# Allegro board SDHCalFEB.brd (continued)
## Routing (per net, layer and track width the routed paths; a pad name or vN(x,y) marks a point on that pad's centre or on a via; arc(x,y) is an arc through that point) (continued)
VCC3.3VD: length 1359.7
  TOP w0.254: v2(233.17,43.64) 233.6,43.64 ; v2(233.17,43.64) 233.17,44.07 ; v2(233.17,43.64) 232.74,43.64 ; v2(233.17,43.64) 233.17,43.2 ; 355.02,167.49 v1(355.02,167.92) ; v1(355.02,167.92) 355.02,168.35 ; v1(355.02,167.92) 354.58,167.92 ; v1(355.02,167.92) 355.45,167.92 ; v1(56.79,351.69) 56.79,352.12 ; v1(56.79,351.69) 56.79,351.26 ; v1(56.79,351.69) 57.23,351.69 ; v1(56.79,351.69) 56.36,351.69 ; 314.51,42.16 C1131.1 ; C1131.1 316.9,42.16 ; C1131.1 315.71,40.84 ; C1131.1 315.71,43.49 ; v2(79.07,285.14) 79.07,285.57 ; v2(79.07,285.14) 79.5,285.14 ; v2(79.07,285.14) 79.07,284.71 ; v2(79.07,285.14) 78.64,285.14 ; 66.24,354.33 v1(66.24,354.76) ; v1(66.24,354.76) 66.68,354.76 ; v1(66.24,354.76) 66.24,355.19 ; v1(66.24,354.76) 65.81,354.76 ; 97.18,283.01 v2(97.18,283.44) ; v2(97.18,283.44) 97.18,283.87 ; v2(97.18,283.44) 96.75,283.44 ; v2(97.18,283.44) 97.61,283.44 ; v1(365.91,187.55) 365.91,187.99 ; v1(365.91,187.55) 365.91,187.12 ; v1(365.91,187.55) 366.34,187.55 ; v1(365.91,187.55) 365.48,187.55 ; v2(151.75,123.51) 152.18,123.51 ; C687.1 73.01,202.83 ; C687.1 72.58,202.34 ; C687.1 73.44,202.34 ; 152.71,121.82 C948.1 ; C948.1 153.58,121.82 ; C948.1 153.15,122.31 ; U260.120 74.56,310.86 ; 75.51,234.57 v2(75.51,235) 75.95,235 ; v1(355.09,166.6) 355.52,166.6 ; v1(355.09,166.6) 354.66,166.6 ; v1(355.09,166.6) 355.09,167.03 ; v1(355.09,166.6) 355.09,166.17 ; 62.41,353.75 C1455.1 ; C1455.1 63.73,352.55 ; C1455.1 63.73,354.94 ; C1455.1 65.05,353.75 ; 151.41,236.47 v2(151.84,236.47) ; v2(151.84,236.47) 151.84,236.04 ; v2(151.84,236.47) 151.84,236.91 ; v2(151.84,236.47) 152.27,236.47 ; U975.120 154.57,70.83 ; v1(355.09,177.57) 355.52,177.57 ; v1(355.09,177.57) 355.09,177.14 ; v1(355.09,177.57) 354.66,177.57 ; v1(355.09,177.57) 355.09,178 ; 62.48,351.38 v1(62.48,351.82) ; v1(62.48,351.82) 62.92,351.82 ; v1(62.48,351.82) 62.48,352.25 ; v1(62.48,351.82) 62.05,351.82 ; v2(239.15,285.27) 239.59,285.27 ; v2(239.15,285.27) 239.15,284.84 ; v2(239.15,285.27) 239.15,285.7 ; v2(239.15,285.27) 238.72,285.27 ; 315.42,39.73 v2(315.85,39.73) ; v2(315.85,39.73) 315.85,40.16 ; v2(315.85,39.73) 316.28,39.73 ; v2(315.85,39.73) 315.85,39.29 ; 234.34,72.97 v2(234.34,73.41) ; v2(234.34,73.41) 234.34,73.84 ; v2(234.34,73.41) 234.77,73.41 ; v2(234.34,73.41) 233.91,73.41 ; v1(353.82,168.17) 354.25,168.17 ; v1(353.82,168.17) 353.82,168.61 ; v1(353.82,168.17) 353.82,167.74 ; v2(155.75,45.79) 155.96,46.25 ; C1415.1 355.4,136.27 ; C1415.1 355.4,135.03 ; C1415.1 354.91,136.14 U1052.18 ; C1415.1 354.81,135.65 ; 81.33,25.37 v1(81.76,25.37) ; v1(81.76,25.37) 81.76,24.94 ; v1(81.76,25.37) 82.19,25.37 ; v1(81.76,25.37) 81.76,25.81 ; v2(96.19,283.49) 96.62,283.49 ; v2(96.19,283.49) 96.19,283.06 ; v2(96.19,283.49) 95.76,283.49 ; v2(96.19,283.49) 96.19,283.92 ; 319.99,45.82 v2(319.99,46.25) ; v2(319.99,46.25) 319.99,46.69 ; v2(319.99,46.25) 319.56,46.25 ; v2(319.99,46.25) 320.42,46.25 ; v2(314.02,152.12) 314.02,152.55 ; v2(314.02,152.12) 313.59,152.12 ; v2(314.02,152.12) 314.45,152.12 ; v2(314.02,152.12) 314.02,151.69 ; v2(315.9,311.49) 316.34,311.49 ; v2(315.9,311.49) 315.47,311.49 ; v2(315.9,311.49) 315.9,311.92 ; v2(315.9,311.49) 315.9,311.06 ; v2(233.83,283.16) 233.83,283.59 ; v2(233.83,283.16) 233.4,283.16 ; v2(233.83,283.16) 234.26,283.16 ; v2(233.83,283.16) 233.83,282.73 ; 154.08,200.71 v2(154.51,200.71) 154.51,200.28 ; v2(317.25,203.89) 317.69,203.89 ; v2(317.25,203.89) 316.82,203.89 ; v2(317.25,203.89) 317.25,204.32 ; 75.16,282.42 v2(75.16,282.85) ; v2(75.16,282.85) 74.73,282.85 ; v2(75.16,282.85) 75.16,283.29 ; v2(75.16,282.85) 75.59,282.85 ; 152.87,75.79 C1304.1 ; C1304.1 155.25,75.79 ; C1304.1 154.06,74.47 ; C1304.1 154.06,77.11 ; v2(237.57,46.1) 237.57,46.53 ; v2(237.57,46.1) 238,46.1 ; v2(237.57,46.1) 237.13,46.1 ; v2(237.57,46.1) 237.57,45.67 ; v1(353.51,118.95) U1069.5 ; 152.69,42.32 C1296.1 ; C1296.1 153.12,42.81 ; C1296.1 153.55,42.32 ; v2(78.23,205.77) 78.66,205.77 ; v2(78.23,205.77) 77.8,205.77 ; v2(78.23,205.77) 78.23,205.33 ; v2(78.23,205.77) 78.23,206.2 ; C696.1 75.78,235.86 ; C696.1 73.39,235.86 ; C696.1 74.58,237.19 ; C696.1 74.58,234.54 ; v1(359.59,178.18) 359.59,178.61 ; v1(359.59,178.18) 359.16,178.18 ; v1(359.59,178.18) 360.02,178.18 ; v1(359.59,178.18) 359.59,177.75 ; 354.41,201.4 C1410.1 355.03,200.81 ; 74.55,121.66 C1043.1 ; C1043.1 77.19,121.66 ; C1043.1 75.87,122.85 ; C1043.1 75.87,120.46 ; v2(312.12,315.81) 312.55,315.81 ; v2(312.12,315.81) 312.12,315.37 ; v2(312.12,315.81) 312.12,316.24 ; 314.41,234.97 C434.1 ; C434.1 314.41,237.62 ; C434.1 315.6,236.3 ; C434.1 313.22,236.3 ; v2(155.75,122.06) 157.07,122.06 ; v2(155.75,122.06) 154.43,122.06 ; v2(155.75,122.06) 155.75,123.26 ; v2(155.75,122.06) 155.75,120.87 ; 353.82,169.01 v1(353.82,169.44) ; v1(353.82,169.44) 354.25,169.44 ; v1(353.82,169.44) 353.82,169.88 ; C512.1 238.11,205.81 ; C512.1 237.25,205.81 ; C512.1 237.68,206.3 ; 356.11,191.41 v1(356.11,190.98) 356.54,190.98 ; 75.31,40.26 v2(75.31,40.69) 74.88,40.69 ; v2(315.26,234.19) 315.26,234.62 ; v2(315.26,234.19) 314.83,234.19 ; v2(315.26,234.19) 315.26,233.76 ; v2(315.26,234.19) 315.7,234.19 ; 315.33,153.48 C771.1 ; C771.1 315.82,153.04 ; C771.1 315.82,153.91 ; 350.65,181.2 v1(351.08,181.2) ; v1(351.08,181.2) 351.08,181.64 ; v1(351.08,181.2) 351.08,180.77 ; 155.68,350.06 v1(156.11,350.06) ; v1(156.11,350.06) 156.54,350.06 ; v1(156.11,350.06) 156.11,349.63 ; v1(156.11,350.06) 156.11,350.5 ; v1(359.59,179.73) 359.59,180.16 ; v1(359.59,179.73) 359.16,179.73 ; v1(359.59,179.73) 359.59,179.3 ; v1(359.59,179.73) 360.02,179.73 ; 355.62,167.06 v1(356.06,167.06) ; v1(356.06,167.06) 356.06,167.49 ; v1(356.06,167.06) 356.49,167.06 ; v1(356.06,167.06) 356.06,166.62 ; v2(234.14,231.57) 234.14,232 ; v2(234.14,231.57) 234.57,231.57 ; v2(234.14,231.57) 234.14,231.14 ; v2(234.14,231.57) 233.7,231.57 ; 366.95,183.95 v1(367.39,183.95) ; v1(367.39,183.95) 367.82,183.95 ; v1(367.39,183.95) 367.39,184.38 ; v1(367.39,183.95) 367.39,183.51 ; 72.95,70.49 v2(73.38,70.49) 73.38,70.92 ; v2(315.52,313.39) 315.52,313.83 ; v2(315.52,313.39) 315.96,313.39 ; v2(315.52,313.39) 315.09,313.39 ; v2(315.52,313.39) 315.52,312.96 ; C695.1 76.89,202.33 ; C695.1 74.24,202.33 ; C695.1 75.56,201.13 ; 357.38,166.95 C1427.1 ; C1427.1 359.77,166.95 ; C1427.1 358.57,168.28 ; C1427.1 358.57,165.63 ; v1(366.09,292.3) 366.52,292.3 ; v1(366.09,292.3) 365.66,292.3 ; v1(366.09,292.3) 366.09,292.74 ; v1(366.09,292.3) 366.09,291.87 ; 367.67,187.32 v1(367.67,187.76) ; v1(367.67,187.76) 368.1,187.76 ; v1(367.67,187.76) 367.23,187.76 ; v1(367.67,187.76) 367.67,188.19 ; 74.17,231.77 v2(74.17,232.21) ; v2(74.17,232.21) 74.17,232.64 ; v2(74.17,232.21) 73.74,232.21 ; v2(74.17,232.21) 74.6,232.21 ; 313.49,43.26 v2(313.49,43.69) ; v2(313.49,43.69) 313.92,43.69 ; v2(313.49,43.69) 313.49,44.12 ; v2(313.49,43.69) 313.05,43.69 ; C1383.1 73.49,41.82 ; C1383.1 73.92,41.33 ; C1383.1 73.06,41.33 ; v1(351.08,155.14) 351.08,155.58 ; v1(351.08,155.14) 350.65,155.14 ; v1(351.08,155.14) 351.08,154.71 ; v2(73.43,123.34) 73.43,123.77 ; v2(73.43,123.34) 73.43,122.91 ; v2(73.43,123.34) 73,123.34 ; v2(73.43,123.34) 73.86,123.34 ; 366.83,293.14 v1(366.83,293.57) ; v1(366.83,293.57) 366.39,293.57 ; v1(366.83,293.57) 366.83,294.01 ; v1(366.83,293.57) 367.26,293.57 ; v2(238.94,45.09) 238.94,45.52 ; v2(238.94,45.09) 239.37,45.09 ; v2(238.94,45.09) 238.94,44.65 ; v2(238.94,45.09) 238.51,45.09 ; 153.19,72.85 v2(153.19,73.28) ; v2(153.19,73.28) 152.76,73.28 ; v2(153.19,73.28) 153.19,73.71 ; v2(153.19,73.28) 153.62,73.28 ; C249.1 157.09,285.82 ; C249.1 156.22,285.82 ; C249.1 156.65,286.31 ; 356.13,192.66 v1(356.13,193.09) ; v1(356.13,193.09) 356.57,193.09 ; v1(356.13,193.09) 356.13,193.52 ; 314.46,312.53 v2(314.89,312.53) ; v2(314.89,312.53) 315.32,312.53 ; v2(314.89,312.53) 314.89,312.1 ; v2(314.89,312.53) 314.89,312.96 ; 347.68,265.56 v1(347.68,265.99) ; v1(347.68,265.99) 347.68,266.42 ; v1(347.68,265.99) 347.24,265.99 ; v1(347.68,265.99) 348.11,265.99 ; 176.68,351.66 v1(177.11,351.66) ; v1(177.11,351.66) 177.11,351.23 ; v1(177.11,351.66) 177.55,351.66 ; v1(177.11,351.66) 177.11,352.1 ; 316.47,46.29 C1121.1 316.9,45.8 ; 357.76,200.79 359.08,200.79 ; 357.76,200.79 357.76,201.98 ; 357.76,200.79 357.76,199.59 ; 357.76,200.79 356.44,200.79 ; 365.3,294.31 v1(365.73,294.31) ; v1(365.73,294.31) 366.17,294.31 ; v1(365.73,294.31) 365.73,294.74 ; v1(365.73,294.31) 365.73,293.88 ; v2(318.19,46.28) 318.19,46.71 ; v2(318.19,46.28) 317.75,46.28 ; v2(318.19,46.28) 318.62,46.28 ; v2(318.19,46.28) 318.19,45.85 ; v2(77.67,46.13) 77.67,46.56 ; v2(77.67,46.13) 78.11,46.13 ; v2(77.67,46.13) 77.24,46.13 ; v2(77.67,46.13) 77.67,45.69 ; v2(97.43,339.29) 97.87,339.29 ; v2(97.43,339.29) 97,339.29 ; v2(97.43,339.29) 97.43,339.73 ; v2(97.43,339.29) 97.43,338.86 ; 155.98,350.85 v1(155.98,351.28) ; v1(155.98,351.28) 156.41,351.28 ; v1(155.98,351.28) 155.55,351.28 ; v1(155.98,351.28) 155.98,351.71 ; 233.22,315.49 C173.1 ; C173.1 234.42,314.17 ; C173.1 234.42,316.81 ; C173.1 235.61,315.49 ; U1050.19 353.73,200.89 ; 60.91,352.78 v1(61.34,352.78) ; v1(61.34,352.78) 61.77,352.78 ; v1(61.34,352.78) 61.34,353.21 ; v1(61.34,352.78) 61.34,352.35 ; v1(354.81,153.11) 354.81,153.54 ; v1(354.81,153.11) 354.81,152.68 ; v1(354.81,153.11) 354.38,153.11 ; v1(354.81,153.11) 355.24,153.11 ; 354.58,179.83 v1(355.02,179.83) ; v1(355.02,179.83) 355.02,179.4 ; v1(355.02,179.83) 355.02,180.26 ; v1(355.02,179.83) 355.45,179.83 ; 317.63,126.21 v2(318.06,126.21) ; v2(318.06,126.21) 318.06,125.78 ; v2(318.06,126.21) 318.49,126.21 ; v2(318.06,126.21) 318.06,126.64 ; v1(247.78,27.58) 247.78,28.02 ; v1(247.78,27.58) 247.78,27.15 ; v1(247.78,27.58) 247.34,27.58 ; v1(247.78,27.58) 248.21,27.58 ; C870.1 236.5,121.58 ; C870.1 235.18,122.78 ; C870.1 235.18,120.39 ; C870.1 233.86,121.58 ; v1(351.08,178.66) 351.08,179.1 ; v1(351.08,178.66) 351.08,178.23 ; v1(351.08,178.66) 350.65,178.66 ; 81.3,27.56 v1(81.74,27.56) ; v1(81.74,27.56) 82.17,27.56 ; v1(81.74,27.56) 81.74,27.99 ; v1(81.74,27.56) 81.74,27.13 ; 322.6,24.77 v1(323.04,24.77) ; v1(323.04,24.77) 323.04,25.2 ; v1(323.04,24.77) 323.04,24.33 ; v1(323.04,24.77) 323.47,24.77 ; v1(243.36,30.2) 243.36,30.63 ; v1(243.36,30.2) 243.79,30.2 ; v1(243.36,30.2) 242.93,30.2 ; v1(243.36,30.2) 243.36,29.77 ; 234.19,313.64 v2(234.62,313.64) ; v2(234.62,313.64) 234.62,313.21 ; v2(234.62,313.64) 234.62,314.07 ; v2(234.62,313.64) 235.05,313.64 ; v1(353.82,165.63) 354.25,165.63 ; v1(353.82,165.63) 353.82,166.07 ; v1(353.82,165.63) 353.82,165.2 ; 156.08,355.57 v1(156.08,356.01) ; v1(156.08,356.01) 155.65,356.01 ; v1(156.08,356.01) 156.52,356.01 ; v1(156.08,356.01) 156.08,356.44 ; 168.53,30.53 v1(168.96,30.53) ; v1(168.96,30.53) 168.96,30.1 ; v1(168.96,30.53) 169.39,30.53 ; v1(168.96,30.53) 168.96,30.96 ; v1(82.37,26.37) 82.8,26.37 ; v1(82.37,26.37) 81.94,26.37 ; v1(82.37,26.37) 82.37,26.8 ; v1(82.37,26.37) 82.37,25.93 ; v1(353.82,179.93) 354.25,179.93 ; v1(353.82,179.93) 353.82,179.5 ; v1(353.82,179.93) 353.82,180.37 ; 178.56,351.69 v1(178.99,351.69) ; v1(178.99,351.69) 179.43,351.69 ; v1(178.99,351.69) 178.99,351.26 ; v1(178.99,351.69) 178.99,352.12 ; C1305.1 155.74,42.75 ; C1305.1 154.54,41.43 ; C1305.1 156.93,41.43 ; C1305.1 155.74,40.11 ; v1(357.61,178.66) 357.61,179.1 ; v1(357.61,178.66) 357.61,178.23 ; v1(357.61,178.66) 358.04,178.66 ; v1(357.61,178.66) 357.17,178.66 ; v2(155.07,283.13) 155.07,283.57 ; v2(155.07,283.13) 154.63,283.13 ; v2(155.07,283.13) 155.5,283.13 ; 156.11,280.46 C260.1 ; C260.1 154.79,281.65 ; C260.1 156.11,282.85 ; C260.1 157.43,281.65 ; v1(357.61,164.92) 358.04,164.92 ; v1(357.61,164.92) 357.61,164.49 ; v1(357.61,164.92) 357.17,164.92 ; v1(357.61,164.92) 357.61,165.35 ; 87.55,28.57 v1(87.55,29.01) ; v1(87.55,29.01) 87.99,29.01 ; v1(87.55,29.01) 87.12,29.01 ; v1(87.55,29.01) 87.55,29.44 ; 232.64,314.26 v2(232.64,314.69) ; v2(232.64,314.69) 233.07,314.69 ; v2(232.64,314.69) 232.64,315.13 ; 72.45,76.17 C1391.1 ; C1391.1 73.64,74.85 ; C1391.1 74.84,76.17 ; C1391.1 73.64,77.5 ; 357.1,139.85 v1(357.53,139.85) ; v1(357.53,139.85) 357.53,140.28 ; v1(357.53,139.85) 357.96,139.85 ; v2(315.78,125.8) 316.21,125.8 ; 367.28,295.76 v1(367.72,295.76) ; v1(367.72,295.76) 367.72,295.33 ; v1(367.72,295.76) 367.72,296.19 ; v1(370.41,292.58) 370.41,293.01 ; v1(370.41,292.58) 370.84,292.58 ; v1(370.41,292.58) 370.41,292.15 ; 152.96,70.49 v2(153.39,70.49) 153.39,70.92 ; 359.13,176.53 C1444.1 ; C1444.1 360.38,176.53 ; C1444.1 359.75,177.11 ; C1392.1 76.03,42.88 ; C1392.1 74.84,41.55 ; C1392.1 76.03,40.23 ; C1392.1 77.23,41.55 ; 63.55,351.74 v1(63.98,351.74) ; v1(63.98,351.74) 64.41,351.74 ; v1(63.98,351.74) 63.98,352.17 ; v1(63.98,351.74) 63.98,351.31 ; C1294.1 155.32,73.82 ; C1294.1 155.32,72.96 ; C1294.1 154.83,73.39 ; 314.07,232.6 v2(314.07,233.03) ; v2(314.07,233.03) 314.5,233.03 ; v2(314.07,233.03) 314.07,233.46 ; v2(314.07,233.03) 313.64,233.03 ; C774.1 317.53,125.22 ; C774.1 316.67,125.22 ; C774.1 317.1,125.72 ; v1(356.08,143.92) 356.51,143.92 ; v1(356.08,143.92) 356.08,143.48 ; v1(356.08,143.92) 355.65,143.92 ; v1(356.08,143.92) 356.08,144.35 ; 348.26,265.02 v1(348.69,265.02) ; v1(348.69,265.02) 348.69,265.46 ; v1(348.69,265.02) 348.69,264.59 ; v1(348.69,265.02) 349.12,265.02 ; 354.08,176.43 v1(354.51,176.43) ; v1(354.51,176.43) 354.51,176 ; v1(354.51,176.43) 354.51,176.86 ; v1(354.51,176.43) 354.94,176.43 ; C251.1 153.81,281.6 ; C251.1 153.38,282.1 ; C251.1 152.95,281.6 ; v1(367.79,289.15) 368.22,289.15 ; v1(367.79,289.15) 367.79,288.72 ; v1(367.79,289.15) 367.36,289.15 ; v1(367.79,289.15) 367.79,289.59 ; v1(88.01,27.51) 88.44,27.51 ; v1(88.01,27.51) 87.58,27.51 ; v1(88.01,27.51) 88.01,27.94 ; v1(88.01,27.51) 88.01,27.08 ; 352.45,155.96 U1056.3 352.45,156.87 ; 353.87,164.74 v1(354.3,164.74) ; v1(354.3,164.74) 354.74,164.74 ; v1(354.3,164.74) 354.3,165.18 ; v1(353.82,166.9) 354.25,166.9 ; v1(353.82,166.9) 353.82,166.47 ; v1(353.82,166.9) 353.82,167.34 ; v2(97.46,334.52) 97.89,334.52 ; v2(97.46,334.52) 97.03,334.52 ; v2(97.46,334.52) 97.46,334.09 ; v2(97.46,334.52) 97.46,334.95 ; 312.19,236.58 v2(312.19,237.02) ; v2(312.19,237.02) 311.76,237.02 ; v2(312.19,237.02) 312.19,237.45 ; v2(312.19,237.02) 312.62,237.02 ; v2(73.38,150.5) 73.38,150.93 ; v1(60.35,351.61) 60.35,352.04 ; v1(60.35,351.61) 60.78,351.61 ; v1(60.35,351.61) 60.35,351.18 ; v1(60.35,351.61) 59.92,351.61 ; 71.74,43.93 v2(71.74,43.5) 72.17,43.5 ; v2(318.03,48.36) 318.47,48.36 ; v2(318.03,48.36) 318.03,48.79 ; v2(318.03,48.36) 317.6,48.36 ; v2(318.03,48.36) 318.03,47.93 ; v1(353.82,177.39) 353.82,177.83 ; v1(353.82,177.39) 354.25,177.39 ; v1(353.82,177.39) 353.82,176.96 ; v2(95.78,334.54) 96.22,334.54 ; v2(95.78,334.54) 95.78,334.11 ; v2(95.78,334.54) 95.78,334.98 ; v2(95.78,334.54) 95.35,334.54 ; v2(96.04,339.27) 96.47,339.27 ; v2(96.04,339.27) 95.61,339.27 ; v2(96.04,339.27) 96.04,338.84 ; v2(96.04,339.27) 96.04,339.7 ; 357.05,169.72 v1(357.48,169.72) ; v1(357.48,169.72) 357.48,170.16 ; v1(357.48,169.72) 357.48,169.29 ; v1(357.48,169.72) 357.91,169.72 ; U325.120 314.59,230.85 ; 313.92,231.07 v2(313.92,231.5) ; v2(313.92,231.5) 313.92,231.94 ; v2(313.92,231.5) 313.49,231.5 ; v2(313.92,231.5) 314.35,231.5 ; v2(76.33,43.41) 76.33,43.84 ; v2(76.33,43.41) 75.89,43.41 ; v2(76.33,43.41) 76.33,42.98 ; v2(76.33,43.41) 76.76,43.41 ; v2(314.45,153.87) 314.88,153.87 ; v2(314.45,153.87) 314.02,153.87 ; v2(314.45,153.87) 314.45,154.31 ; v2(314.45,153.87) 314.45,153.44 ; v2(315.78,45.79) 315.98,46.25 ; 231.34,76.45 v2(231.78,76.45) ; v2(231.78,76.45) 231.78,76.02 ; v2(231.78,76.45) 232.21,76.45 ; v2(231.78,76.45) 231.78,76.89 ; C686.1 77.31,205.81 ; C686.1 76.45,205.81 ; C686.1 76.88,206.31 ; 234.83,154.48 C869.1 ; C869.1 233.64,155.8 ; C869.1 236.03,155.8 ; C869.1 234.83,157.12 ; v1(358.32,176.94) 358.32,177.37 ; v1(358.32,176.94) 358.32,176.5 ; v1(358.32,176.94) 358.75,176.94 ; v1(358.32,176.94) 357.89,176.94 ; v1(84.81,28.37) 85.24,28.37 ; v1(84.81,28.37) 84.38,28.37 ; v1(84.81,28.37) 84.81,27.94 ; v1(84.81,28.37) 84.81,28.8 ; 58.06,351.64 v1(58.5,351.64) ; v1(58.5,351.64) 58.93,351.64 ; v1(58.5,351.64) 58.5,352.07 ; v1(58.5,351.64) 58.5,351.21 ; 316.24,280.16 C87.1 ; C87.1 317.56,281.35 ; C87.1 316.24,282.55 ; C87.1 314.92,281.35 ; v2(77.67,286.16) 78.11,286.16 ; v2(77.67,286.16) 77.67,286.59 ; v2(77.67,286.16) 77.24,286.16 ; v2(77.67,286.16) 77.67,285.72 ; 72.54,203.5 v2(72.97,203.5) ; v2(72.97,203.5) 73.41,203.5 ; v2(72.97,203.5) 72.97,203.07 ; v2(72.97,203.5) 72.97,203.94 ; 157.84,285.85 v2(158.27,285.85) ; v2(158.27,285.85) 158.27,286.28 ; v2(158.27,285.85) 158.27,285.42 ; v2(158.27,285.85) 158.7,285.85 ; 83.41,25.88 C1447.1 ; C1447.1 84.73,27.08 ; C1447.1 86.06,25.88 ; 82.7,28.42 v1(83.13,28.42) ; v1(83.13,28.42) 83.57,28.42 ; v1(83.13,28.42) 83.13,28.85 ; v1(83.13,28.42) 83.13,27.99 ; C86.1 315.47,315.83 ; C86.1 313.08,315.83 ; C86.1 314.28,314.51 ; C86.1 314.28,317.15 ; v1(158.75,352.4) 158.75,352.83 ; v1(158.75,352.4) 159.18,352.4 ; v1(158.75,352.4) 158.32,352.4 ; v1(158.75,352.4) 158.75,351.97 ; 367.51,287.93 v1(367.94,287.93) ; v1(367.94,287.93) 368.38,287.93 ; v1(367.94,287.93) 367.94,287.5 ; v1(367.94,287.93) 367.94,288.37 ; 233.32,233.02 v2(233.32,233.45) ; v2(233.32,233.45) 233.76,233.45 ; v2(233.32,233.45) 232.89,233.45 ; v2(233.32,233.45) 233.32,233.88 ; v2(236.39,203.57) 236.39,204 ; v2(236.39,203.57) 235.95,203.57 ; v2(236.39,203.57) 236.39,203.14 ; v2(236.39,203.57) 236.82,203.57 ; 350.65,179.93 v1(351.08,179.93) ; v1(351.08,179.93) 351.08,180.37 ; v1(351.08,179.93) 351.08,179.5 ; v2(159.99,45.14) 159.99,45.57 ; v2(159.99,45.14) 160.43,45.14 ; v2(159.99,45.14) 159.99,44.7 ; v2(159.99,45.14) 159.56,45.14 ; v2(155.24,153.52) 155.68,153.52 ; v2(155.24,153.52) 155.24,153.95 ; v2(155.24,153.52) 154.81,153.52 ; v2(155.24,153.52) 155.24,153.09 ; C1207.1 235.33,73.87 ; C1207.1 235.33,73.01 ; C1207.1 234.84,73.44 ; 237.13,283.08 v2(237.57,283.08) ; v2(237.57,283.08) 237.57,283.52 ; v2(237.57,283.08) 238,283.08 ; v2(237.57,283.08) 237.57,282.65 ; v1(168.83,29.18) 168.83,29.62 ; v1(168.83,29.18) 168.83,28.75 ; v1(168.83,29.18) 169.27,29.18 ; v1(168.83,29.18) 168.4,29.18 ; 75.65,311.23 C339.1 ; C339.1 76.15,310.79 ; C339.1 76.15,311.66 ; 315.15,279.74 v2(315.15,280.17) ; v2(315.15,280.17) 314.71,280.17 ; v2(315.15,280.17) 315.58,280.17 ; v1(350.11,269.09) 350.55,269.09 ; v1(350.11,269.09) 349.68,269.09 ; v1(350.11,269.09) 350.11,269.52 ; v1(350.11,269.09) 350.11,268.66 ; 155.69,153.45 C946.1 ; C946.1 156.18,153.02 ; C946.1 156.18,153.88 ; v1(365,293.17) 365.43,293.17 ; v1(365,293.17) 365,293.6 ; v1(365,293.17) 365,292.73 ; v1(365,293.17) 364.57,293.17 ; 176.81,355.32 v1(177.24,355.32) ; v1(177.24,355.32) 177.24,355.75 ; v1(177.24,355.32) 177.67,355.32 ; v1(177.24,355.32) 177.24,354.89 ; U650.120 234.58,150.84 ; v1(156.03,353.72) 156.03,354.15 ; v1(156.03,353.72) 156.03,353.29 ; v1(156.03,353.72) 155.6,353.72 ; v1(156.03,353.72) 156.46,353.72 ; 153.16,282.65 v2(153.16,283.08) ; v2(153.16,283.08) 153.16,283.52 ; v2(153.16,283.08) 152.73,283.08 ; v2(72.42,156.29) 72.42,156.72 ; v2(72.42,156.29) 71.98,156.29 ; v2(72.42,156.29) 72.42,155.85 ; v2(72.42,156.29) 72.85,156.29 ; v2(75.23,203.78) 75.67,203.78 ; v2(75.23,203.78) 75.23,204.22 ; v2(75.23,203.78) 74.8,203.78 ; v2(314.76,73.84) 315.19,73.84 ; v2(314.76,73.84) 314.32,73.84 ; v2(314.76,73.84) 314.76,74.27 ; v2(314.76,73.84) 314.76,73.41 ; 367.67,289.92 v1(367.67,290.35) ; v1(367.67,290.35) 367.67,290.78 ; v1(367.67,290.35) 367.23,290.35 ; v1(367.67,290.35) 368.1,290.35 ; v1(366.9,287.48) 367.34,287.48 ; v1(366.9,287.48) 366.9,287.91 ; v1(366.9,287.48) 366.47,287.48 ; v1(366.9,287.48) 366.9,287.04 ; v2(232.38,235.92) 232.82,235.92 ; v2(232.38,235.92) 231.95,235.92 ; v2(232.38,235.92) 232.38,235.48 ; v2(232.38,235.92) 232.38,236.35 ; 355.02,143.08 v1(355.45,143.08) ; v1(355.45,143.08) 355.45,142.65 ; v1(355.45,143.08) 355.88,143.08 ; v1(355.45,143.08) 355.45,143.51 ; U1051.19 353.73,192.3 ; U1051.19 354.96,192.49 C1412.1 ; U1051.19 v1(351.57,192.49) ; C174.1 235.79,282.83 ; C174.1 237.11,281.64 ; C174.1 235.79,280.44 ; C174.1 234.47,281.64 ; v1(86.18,29.11) 86.18,29.54 ; v1(86.18,29.11) 85.75,29.11 ; v1(86.18,29.11) 86.61,29.11 ; v1(86.18,29.11) 86.18,28.68 ; v1(355.98,168.17) 355.98,168.61 ; v1(355.98,168.17) 355.98,167.74 ; v1(355.98,168.17) 355.55,168.17 ; v1(355.98,168.17) 356.41,168.17 ; 162.15,28.27 v1(162.59,28.27) ; v1(162.59,28.27) 163.02,28.27 ; v1(162.59,28.27) 162.59,27.84 ; v1(162.59,28.27) 162.59,28.7 ; 368.41,289.37 L3.2 ; L3.2 370.29,289.37 ; L3.2 369.35,291.14 ; L3.2 369.35,287.6 ; 366.14,295.3 v1(366.57,295.3) ; v1(366.57,295.3) 367.01,295.3 ; v1(366.57,295.3) 366.57,295.73 ; v1(366.57,295.3) 366.57,294.87 ; 352.45,176.94 U1057.1 ; U1057.1 351.28,177.39 ; U1057.1 352.45,177.85 ; 167.89,27.63 v1(167.89,28.07) ; v1(167.89,28.07) 168.33,28.07 ; v1(167.89,28.07) 167.46,28.07 ; v1(167.89,28.07) 167.89,28.5 ; v1(357.38,130.99) 357.38,131.42 ; v1(357.38,130.99) 357.38,130.56 ; v1(357.38,130.99) 356.95,130.99 ; v1(357.38,130.99) 357.81,130.99 ; 348.87,268.93 v1(348.87,269.37) ; v1(348.87,269.37) 348.87,269.8 ; v1(348.87,269.37) 349.3,269.37 ; v1(348.87,269.37) 348.44,269.37 ; v2(238,43.64) 238,44.07 ; v2(238,43.64) 237.57,43.64 ; v2(238,43.64) 238.43,43.64 ; v2(238,43.64) 238,43.2 ; 66.14,351.41 v1(66.14,351.84) ; v1(66.14,351.84) 66.14,352.27 ; v1(66.14,351.84) 66.57,351.84 ; v1(66.14,351.84) 65.71,351.84 ; 154.48,203.96 v2(154.91,203.96) ; v2(154.91,203.96) 155.35,203.96 ; v2(154.91,203.96) 154.91,203.53 ; 76.22,123.42 v2(76.66,123.42) ; v2(76.66,123.42) 76.66,122.99 ; v2(76.66,123.42) 76.66,123.85 ; v2(76.66,123.42) 77.09,123.42 ; v2(315.78,70.49) 315.78,70.92 ; v2(233.76,313.27) 233.76,313.7 ; v2(233.76,313.27) 233.32,313.27 ; v2(233.76,313.27) 234.19,313.27 ; v2(233.76,313.27) 233.76,312.84 ; 156.62,120.57 v2(157.05,120.57) 157.05,121.01 ; 357.5,131.67 v1(357.5,132.11) ; v1(357.5,132.11) 357.5,132.54 ; v1(357.5,132.11) 357.94,132.11 ; v1(357.5,132.11) 357.07,132.11 ; 61.04,354.2 v1(61.04,354.63) ; v1(61.04,354.63) 61.47,354.63 ; v1(61.04,354.63) 60.6,354.63 ; v1(61.04,354.63) 61.04,355.07 ; U910.120 234.58,70.83 ; v2(75.74,45.79) 75.95,46.25 ; 242.95,28.78 v1(243.38,28.78) ; v1(243.38,28.78) 243.82,28.78 ; v1(243.38,28.78) 243.38,28.35 ; v1(243.38,28.78) 243.38,29.21 ; v1(320.6,27.43) 320.6,27.86 ; v1(320.6,27.43) 321.03,27.43 ; v1(320.6,27.43) 320.6,27 ; v1(320.6,27.43) 320.17,27.43 ; 152.18,43.5 v2(151.75,43.5) 151.75,43.93 ; v2(75.41,153.47) 75.84,153.47 ; v2(75.41,153.47) 75.41,153.03 ; v2(75.41,153.47) 75.41,153.9 ; v2(75.41,153.47) 74.98,153.47 ; 368,286.03 v1(368,286.46) ; v1(368,286.46) 368,286.89 ; v1(368,286.46) 367.56,286.46 ; v1(368,286.46) 368.43,286.46 ; v1(164.62,30.33) 164.62,30.76 ; v1(164.62,30.33) 164.19,30.33 ; v1(164.62,30.33) 164.62,29.9 ; v1(164.62,30.33) 165.05,30.33 ; 366.57,185.9 C1457.1 ; C1457.1 367.77,184.58 ; C1457.1 367.77,187.22 ; 157.67,206.32 v2(157.67,206.75) ; v2(157.67,206.75) 157.24,206.75 ; v2(157.67,206.75) 158.1,206.75 ; v2(157.67,206.75) 157.67,207.18 ; C1454.1 350.35,267.85 ; C1454.1 348.57,267.77 ; C1454.1 348.48,265.99 ; C1454.1 350.26,266.08 ; 359.18,200.84 v1(359.61,200.84) ; v1(359.61,200.84) 360.05,200.84 ; v1(359.61,200.84) 359.61,201.27 ; v1(359.61,200.84) 359.61,200.41 ; 81.94,28.55 v1(81.94,28.98) ; v1(81.94,28.98) 82.37,28.98 ; v1(81.94,28.98) 81.94,29.41 ; v1(81.94,28.98) 81.51,28.98 ; 312.06,76.1 v2(312.06,76.53) ; v2(312.06,76.53) 312.06,76.96 ; v2(312.06,76.53) 312.5,76.53 ; v2(312.06,76.53) 311.63,76.53 ; 312.14,316.75 v2(312.14,317.18) 312.58,317.18 ; C609.1 155.74,235.86 ; C609.1 153.35,235.86 ; C609.1 154.54,237.19 ; C609.1 154.54,234.54 ; 167.39,29.67 v1(167.82,29.67) ; v1(167.82,29.67) 167.82,29.23 ; v1(167.82,29.67) 168.25,29.67 ; v1(167.82,29.67) 167.82,30.1 ; 153.07,316.51 v2(153.07,316.94) ; v2(153.07,316.94) 153.5,316.94 ; v2(153.07,316.94) 153.07,317.37 ; v2(153.07,316.94) 152.64,316.94 ; 179.63,353.75 v1(179.63,354.18) ; v1(179.63,354.18) 180.06,354.18 ; v1(179.63,354.18) 179.63,354.61 ; v1(179.63,354.18) 179.2,354.18 ; 72.17,123.51 v2(71.74,123.51) 71.74,123.94 ; C598.1 152.92,202.83 ; C598.1 153.35,202.34 ; C598.1 152.48,202.34 ; U1052.19 355.01,136.79 C1414.1 ; U1052.19 354.13,136.6 ; U1052.19 v1(351.97,136.79) ; v2(319.79,126.29) 320.22,126.29 ; v2(319.79,126.29) 319.35,126.29 ; v2(319.79,126.29) 319.79,126.72 ; 236.48,46.29 C1208.1 236.92,45.8 ; 350.65,145.06 v1(351.08,145.06) ; v1(351.08,145.06) 351.08,145.49 ; v1(351.08,145.06) 351.08,144.63 ; C1035.1 73.41,122.82 ; C1035.1 73.85,122.33 ; C1035.1 72.98,122.33 ; v2(74.98,233.73) 74.98,234.16 ; v2(74.98,233.73) 75.41,233.73 ; v2(74.98,233.73) 74.98,233.3 ; v2(74.98,233.73) 74.55,233.73 ; 370.13,286.49 v1(370.13,286.92) ; v1(370.13,286.92) 370.56,286.92 ; v1(370.13,286.92) 369.7,286.92 ; v1(370.13,286.92) 370.13,287.35 ; C337.1 76.68,286.27 ; C337.1 76.25,285.78 ; C337.1 77.11,285.78 ; C1412.1 354.51,192.66 ; C1412.1 355.75,192.66 ; C1412.1 355.13,192.07 ; 317.31,286.38 v2(317.31,286.81) ; v2(317.31,286.81) 316.87,286.81 ; v2(317.31,286.81) 317.74,286.81 ; 232,156.39 v2(232,156.82) ; v2(232,156.82) 231.57,156.82 ; v2(232,156.82) 232,157.25 ; 366.98,291.72 v1(367.41,291.72) ; v1(367.41,291.72) 367.41,292.15 ; v1(367.41,291.72) 367.84,291.72 ; v1(367.41,291.72) 367.41,291.29 ; C1033.1 76.4,153.88 ; C1033.1 76.4,153.02 ; C1033.1 75.91,153.45 ; C165.1 233.54,282.35 ; C165.1 232.68,282.35 ; C165.1 233.11,282.84 ; U845.80 312.11,42.31 ; v1(368.91,284.73) 369.34,284.73 ; v1(368.91,284.73) 368.91,285.17 ; v1(368.91,284.73) 368.91,284.3 ; v1(368.91,284.73) 368.48,284.73 ; v2(153.52,43.48) 153.52,43.92 ; v2(153.52,43.48) 153.95,43.48 ; v2(153.52,43.48) 153.52,43.05 ; v2(153.52,43.48) 153.09,43.48 ; 359.33,169.11 C1441.1 ; C1441.1 359.33,170.36 ; C1441.1 358.75,169.74 ; 364.34,291.92 v1(364.77,291.92) ; v1(364.77,291.92) 364.77,292.35 ; v1(364.77,291.92) 364.77,291.49 ; v1(364.77,291.92) 365.2,291.92 ; 244.09,27.91 C1450.1 ; C1450.1 245.41,29.11 ; C1450.1 245.41,26.72 ; C1450.1 246.74,27.91 ; v1(357.53,128.55) 357.53,128.98 ; v1(357.53,128.55) 357.96,128.55 ; v1(357.53,128.55) 357.53,128.12 ; v1(357.53,128.55) 357.1,128.55 ; 153.62,152.88 v2(154.05,152.88) ; v2(154.05,152.88) 154.48,152.88 ; v2(154.05,152.88) 154.05,152.45 ; v2(154.05,152.88) 154.05,153.31 ; 367.08,294.61 v1(367.51,294.61) ; v1(367.51,294.61) 367.51,295.05 ; v1(367.51,294.61) 367.94,294.61 ; v1(367.51,294.61) 367.51,294.18 ; 315.97,310.51 C75.1 ; C75.1 316.46,310.08 ; C75.1 316.46,310.94 ; 231.76,43.93 v2(231.76,43.5) 232.19,43.5 ; 178.79,354.89 v1(178.79,355.32) ; v1(178.79,355.32) 178.79,355.75 ; v1(178.79,355.32) 179.22,355.32 ; v1(178.79,355.32) 178.36,355.32 ; 152.12,156.44 v2(152.12,156.87) ; v2(152.12,156.87) 151.69,156.87 ; v2(152.12,156.87) 152.55,156.87 ; v2(152.12,156.87) 152.12,157.3 ; 355.24,164.59 v1(355.24,165.02) ; v1(355.24,165.02) 355.68,165.02 ; v1(355.24,165.02) 355.24,165.46 ; v1(355.24,165.02) 354.81,165.02 ; C1432.1 354.68,209.25 v1(354.68,210.21) U1065.6 ; 353.82,180.77 v1(353.82,181.2) ; v2(232.33,316.8) 232.33,317.23 ; v2(232.33,316.8) 232.33,316.37 ; v2(232.33,316.8) 232.77,316.8 ; v2(232.33,316.8) 231.9,316.8 ; 355.96,154.08 v1(355.96,154.51) ; v1(355.96,154.51) 356.39,154.51 ; v1(355.96,154.51) 355.52,154.51 ; v1(355.96,154.51) 355.96,154.94 ; 232.85,202.4 C510.1 ; C510.1 233.29,202.9 ; C510.1 233.72,202.4 ; 357.3,153.52 v1(357.73,153.52) ; v1(357.73,153.52) 358.17,153.52 ; v1(357.73,153.52) 357.73,153.95 ; v1(357.73,153.52) 357.73,153.09 ; 95.78,335.66 v2(95.78,336.09) ; v2(95.78,336.09) 95.78,336.53 ; v2(95.78,336.09) 95.35,336.09 ; v2(95.78,336.09) 96.22,336.09 ; 316.46,43.43 v2(316.46,43) 316.89,43 ; 357.83,169.11 v1(358.27,169.11) ; v1(358.27,169.11) 358.27,169.55 ; v1(358.27,169.11) 358.27,168.68 ; v1(358.27,169.11) 358.7,169.11 ; v1(247.73,28.93) 248.16,28.93 ; v1(247.73,28.93) 247.73,28.5 ; v1(247.73,28.93) 247.29,28.93 ; v1(247.73,28.93) 247.73,29.36 ; 356.92,155.88 C1428.1 ; C1428.1 358.11,154.56 ; C1428.1 358.11,157.2 ; 156.24,42.93 v2(156.24,43.36) ; v2(156.24,43.36) 156.24,43.79 ; v2(156.24,43.36) 155.8,43.36 ; v2(156.24,43.36) 156.67,43.36 ; 156.5,126.3 C947.1 156.93,125.81 ; v1(350.94,332.08) U1058.5 ; v1(357.2,193.55) 357.2,193.98 ; v1(357.2,193.55) 357.63,193.55 ; v1(357.2,193.55) 356.77,193.55 ; C1044.1 76.16,155.85 ; C1044.1 73.77,155.85 ; C1044.1 74.96,154.53 ; C1044.1 74.96,157.18 ; 234.95,280.47 v2(234.95,280.9) 234.52,280.9 ; U1054.1 353.62,142.52 ; U1054.1 351.28,142.52 ; U1054.1 352.45,142.98 ; U1054.1 352.45,142.06 ; 315.73,313.98 v2(315.73,314.41) ; v2(315.73,314.41) 315.29,314.41 ; v2(315.73,314.41) 315.73,314.84 ; C1426.1 359,180.62 ; C1426.1 357.68,179.43 ; C1426.1 357.68,181.81 ; C1426.1 356.36,180.62 ; 352.45,165.18 U1055.1 ; U1055.1 351.28,165.63 ; U1055.1 352.45,166.09 ; 94.77,285.63 C347.1 ; C347.1 96.09,284.44 ; C347.1 97.41,285.63 ; 153.31,122.94 v2(153.31,123.37) ; v2(153.31,123.37) 152.88,123.37 ; v2(153.31,123.37) 153.31,123.8 ; v2(153.31,123.37) 153.75,123.37 ; v2(315.14,156.67) 315.35,157.13 ; v1(355.93,176.71) 355.93,177.14 ; v1(355.93,176.71) 355.93,176.28 ; v1(355.93,176.71) 356.36,176.71 ; v1(355.93,176.71) 355.5,176.71 ; v2(74.32,74.27) 74.75,74.27 ; v2(74.32,74.27) 73.89,74.27 ; v2(74.32,74.27) 74.32,73.84 ; v2(74.32,74.27) 74.32,74.7 ; C77.1 313.43,282.84 ; C77.1 313,282.34 ; C77.1 313.86,282.34 ; C956.1 156.12,155.83 ; C956.1 154.92,157.15 ; C956.1 154.92,154.51 ; C956.1 153.73,155.83 ; v2(319.43,47.6) 319.43,48.03 ; v2(319.43,47.6) 319.43,47.17 ; v2(319.43,47.6) 319.86,47.6 ; v2(319.43,47.6) 319,47.6 ; v2(237.97,40.23) 237.97,40.67 ; v2(237.97,40.23) 238.4,40.23 ; v2(237.97,40.23) 237.54,40.23 ; v2(237.97,40.23) 237.97,39.8 ; v2(154.57,312.98) 155,312.98 ; v2(154.57,312.98) 154.57,312.55 ; v2(154.57,312.98) 154.14,312.98 ; v2(154.57,312.98) 154.57,313.41 ; v2(159.77,286.28) 160.2,286.28 ; v2(159.77,286.28) 159.33,286.28 ; v2(159.77,286.28) 159.77,285.85 ; 155.02,314.63 C261.1 ; C261.1 153.83,315.95 ; C261.1 155.02,317.27 ; v1(323.09,26.29) 323.09,26.72 ; v1(323.09,26.29) 323.52,26.29 ; v1(323.09,26.29) 322.66,26.29 ; v1(323.09,26.29) 323.09,25.86 ; U130.120 234.58,310.86 ; 313.87,312.94 v2(313.87,313.37) ; v2(313.87,313.37) 313.44,313.37 ; v2(313.87,313.37) 314.3,313.37 ; v2(313.87,313.37) 313.87,313.8 ; v1(353.82,178.66) 353.82,179.1 ; v1(353.82,178.66) 354.25,178.66 ; v1(353.82,178.66) 353.82,178.23 ; U520.120 74.56,230.85 ; 177.85,352.2 C1453.1 ; C1453.1 176.66,353.52 ; C1453.1 177.85,354.84 ; C1453.1 179.05,353.52 ; v2(234.34,311.34) 234.34,311.77 ; v2(234.34,311.34) 234.77,311.34 ; v2(234.34,311.34) 234.34,310.91 ; C1120.1 315.7,73.9 ; C1120.1 315.2,73.47 ; C1120.1 315.7,73.03 ; 365.4,184.89 v1(365.84,184.89) ; v1(365.84,184.89) 365.84,185.32 ; v1(365.84,184.89) 366.27,184.89 ; v1(365.84,184.89) 365.84,184.45 ; v2(234.47,152.2) 234.47,152.63 ; v2(234.47,152.2) 234.9,152.2 ; v2(234.47,152.2) 234.04,152.2 ; v2(234.47,152.2) 234.47,151.76 ; v2(313.87,72.67) 314.3,72.67 ; v2(313.87,72.67) 313.87,73.1 ; v2(313.87,72.67) 313.87,72.24 ; v2(313.87,72.67) 313.44,72.67 ; 97.89,335.48 C1451.1 ; C1451.1 96.7,336.8 ; C1451.1 99.09,336.8 ; C1451.1 97.89,338.13 ; v1(359.59,181.05) 359.59,181.48 ; v1(359.59,181.05) 359.16,181.05 ; v1(359.59,181.05) 359.59,180.62 ; v1(359.59,181.05) 360.02,181.05 ; 74.65,280.24 v2(75.08,280.24) ; v2(75.08,280.24) 75.08,280.67 ; v2(75.08,280.24) 75.51,280.24 ; v2(75.08,280.24) 75.08,279.81 ; v2(235.76,125.8) 235.97,126.26 ; 155.22,76.66 v2(154.79,76.66) 154.79,77.09 ; 153.49,232.26 v2(153.92,232.26) ; v2(153.92,232.26) 153.92,232.69 ; v2(153.92,232.26) 154.36,232.26 ; v2(153.92,232.26) 153.92,231.83 ; 355.33,127.48 C1417.1 355.96,128.07 ; 317.65,282.83 v2(317.22,282.83) 316.79,282.83 ; C773.1 313.32,122.47 ; C773.1 313.75,121.97 ; C773.1 312.89,121.97 ; 352.45,143.33 U1054.2 ; U1054.2 353.62,143.79 ; U1054.2 352.45,144.25 ; v1(353.82,156.41) 353.82,156.85 ; v1(353.82,156.41) 353.82,155.98 ; v1(353.82,156.41) 354.25,156.41 ; v1(358.09,191.97) 358.09,193.17 ; v1(358.09,191.97) 356.77,191.97 ; v1(358.09,191.97) 359.41,191.97 ; v1(358.09,191.97) 358.09,190.78 ; v2(239.15,206.04) 239.15,206.47 ; v2(239.15,206.04) 239.15,205.6 ; v2(239.15,206.04) 238.72,206.04 ; v2(239.15,206.04) 239.59,206.04 ; 234.64,316.95 v2(235.08,316.95) 235.51,316.95 ; 355.47,165.91 v1(355.9,165.91) ; v1(355.9,165.91) 355.9,165.48 ; v1(355.9,165.91) 355.9,166.35 ; v1(355.9,165.91) 356.34,165.91 ; 66.17,352.88 v1(66.17,353.31) ; v1(66.17,353.31) 65.73,353.31 ; v1(66.17,353.31) 66.6,353.31 ; v1(66.17,353.31) 66.17,353.75 ; v2(73.08,42.65) 73.51,42.65 ; v2(73.08,42.65) 73.08,42.21 ; v2(73.08,42.65) 72.64,42.65 ; v2(73.08,42.65) 73.08,43.08 ; 233.43,123.11 v2(233.86,123.11) ; v2(233.86,123.11) 234.29,123.11 ; v2(233.86,123.11) 233.86,122.68 ; v2(233.86,123.11) 233.86,123.55 ; v1(350.62,169.49) 351.05,169.49 ; v1(350.62,169.49) 350.62,169.93 ; v1(350.62,169.49) 350.62,169.06 ; 154.36,73.58 v2(154.36,74.02) ; v2(154.36,74.02) 154.36,74.45 ; v2(154.36,74.02) 153.92,74.02 ; v2(154.36,74.02) 154.79,74.02 ; C1473.1 365.99,290.7 ; C1473.1 365.99,288.06 ; C1473.1 364.79,289.38 ; C1473.1 367.18,289.38 ; 159.23,125.25 v2(159.66,125.25) ; v2(159.66,125.25) 160.1,125.25 ; v2(159.66,125.25) 159.66,124.82 ; v2(159.66,125.25) 159.66,125.68 ; 354.95,145.74 C1425.1 ; C1425.1 354.33,146.33 ; C1425.1 355.58,146.33 ; v1(365.99,296.06) 365.99,296.49 ; v1(365.99,296.06) 366.42,296.06 ; v1(365.99,296.06) 365.99,295.63 ; v1(365.99,296.06) 365.56,296.06 ; C597.1 156.57,233.89 ; C597.1 156.57,233.03 ; C597.1 156.07,233.46 ; C1209.1 233.79,42.32 ; C1209.1 232.93,42.32 ; C1209.1 233.36,42.81 ; v2(74.35,77.01) 74.35,77.45 ; 355.78,157.68 C1424.1 355.16,157.1 ; 357.28,144.32 v1(357.28,144.75) 356.84,144.75 ; U1069.6 v1(358.19,114.26) ; v1(156.03,354.89) 156.03,355.32 ; v1(156.03,354.89) 155.6,354.89 ; v1(156.03,354.89) 156.03,354.46 ; v1(156.03,354.89) 156.46,354.89 ; C1414.1 356.01,137.16 ; C1414.1 355.38,136.58 ; C1414.1 354.76,137.16 ; 354.69,141.81 v1(354.69,142.24) ; v1(354.69,142.24) 354.69,142.67 ; v1(354.69,142.24) 355.12,142.24 ; v1(354.69,142.24) 354.25,142.24 ; v1(359.64,164.97) 360.07,164.97 ; v1(359.64,164.97) 359.64,164.54 ; v1(359.64,164.97) 359.21,164.97 ; v1(359.64,164.97) 359.64,165.41 ; 56.16,353.52 v1(56.59,353.52) ; v1(56.59,353.52) 57.02,353.52 ; v1(56.59,353.52) 56.59,353.08 ; v1(56.59,353.52) 56.59,353.95 ; 364.06,294.18 v1(364.49,294.18) ; v1(364.49,294.18) 364.49,294.62 ; v1(364.49,294.18) 364.92,294.18 ; v1(364.49,294.18) 364.49,293.75 ; C1445.1 365.1,295.69 ; C1445.1 364.52,295.07 ; C1445.1 364.52,296.32 ; C1218.1 237.24,41.27 ; C1218.1 234.59,41.27 ; C1218.1 235.92,40.07 ; C1218.1 235.92,42.46 ; v2(151.97,76.38) 152.4,76.38 ; v2(151.97,76.38) 151.54,76.38 ; v2(151.97,76.38) 151.97,76.81 ; v2(151.97,76.38) 151.97,75.95 ; 351.08,155.98 v1(351.08,156.41) ; v1(351.08,156.41) 350.65,156.41 ; v1(351.08,156.41) 351.08,156.85 ; 352.45,167.72 U1055.3 352.45,168.63 ; C1448.1 166.88,28.55 ; C1448.1 165.56,27.36 ; C1448.1 164.24,28.55 ; C1448.1 165.56,29.74 ; v2(75.74,205.81) 76.1,206.17 ; 319.79,285.62 v2(319.79,286.05) ; v2(319.79,286.05) 320.22,286.05 ; v2(319.79,286.05) 319.35,286.05 ; v2(319.79,286.05) 319.79,286.49 ; 234.3,234.42 C521.1 ; C521.1 234.3,237.06 ; C521.1 235.49,235.74 ; C521.1 233.1,235.74 ; v2(314.02,122.76) 314.02,123.19 ; v2(314.02,122.76) 313.59,122.76 ; v2(314.02,122.76) 314.02,122.33 ; v2(314.02,122.76) 314.45,122.76 ; 157.35,351.97 v1(157.35,352.4) ; v1(157.35,352.4) 157.79,352.4 ; v1(157.35,352.4) 156.92,352.4 ; v1(157.35,352.4) 157.35,352.83 ; 346.73,267.54 v1(347.17,267.54) ; v1(347.17,267.54) 347.6,267.54 ; v1(347.17,267.54) 347.17,267.11 ; v1(347.17,267.54) 347.17,267.97 ; 363.78,286.03 C1443.1 ; C1443.1 364.36,286.65 ; C1443.1 363.78,287.27 ; v2(71.73,76.78) 71.73,77.22 ; v2(71.73,76.78) 72.16,76.78 ; v2(71.73,76.78) 71.3,76.78 ; v2(71.73,76.78) 71.73,76.35 ; U1052.18 v1(351.97,136.14) ; U1052.18 354.13,136.32 ; U1054.3 352.45,145.52 ; U1054.3 353.62,145.06 ; U1054.3 352.45,144.6 ; 316.07,201.18 C435.1 ; C435.1 316.07,203.57 ; C435.1 314.75,202.38 ; C435.1 317.4,202.38 ; 152.58,203.48 v2(153.01,203.48) ; v2(153.01,203.48) 153.44,203.48 ; v2(153.01,203.48) 153.01,203.05 ; v2(153.01,203.48) 153.01,203.91 ; C782.1 314.54,157.18 ; C782.1 314.54,154.53 ; C782.1 313.34,155.85 ; C782.1 315.73,155.85 ; 235.59,312.86 v2(235.59,313.3) ; v2(235.59,313.3) 235.59,313.73 ; v2(235.59,313.3) 236.02,313.3 ; v2(235.59,313.3) 235.15,313.3 ; 242.98,27.28 v1(243.41,27.28) ; v1(243.41,27.28) 243.84,27.28 ; v1(243.41,27.28) 243.41,26.85 ; v1(243.41,27.28) 243.41,27.71 ; C522.1 237.01,201.49 ; C522.1 234.37,201.49 ; C522.1 235.69,202.68 ; C522.1 235.69,200.3 ; U1056.2 353.62,155.14 ; U1056.2 352.45,155.6 ; U1056.2 352.45,154.69 ; 356.03,202.03 v1(356.03,201.6) 356.03,201.17 ; v1(359.61,199.72) 359.61,200.15 ; v1(359.61,199.72) 359.61,199.29 ; v1(359.61,199.72) 359.18,199.72 ; v1(359.61,199.72) 360.05,199.72 ; 368.45,285.83 v1(368.88,285.83) ; v1(368.88,285.83) 368.88,285.39 ; v1(368.88,285.83) 368.88,286.26 ; v1(368.88,285.83) 369.32,285.83 ; v1(87.93,25.81) 87.93,26.24 ; v1(87.93,25.81) 87.93,25.37 ; v1(87.93,25.81) 87.5,25.81 ; v1(87.93,25.81) 88.37,25.81 ; v2(159.82,285.09) 160.25,285.09 ; v2(159.82,285.09) 159.82,285.52 ; v2(159.82,285.09) 159.38,285.09 ; v2(75.74,125.8) 75.95,126.26 ; C1452.1 159.26,350.29 ; C1452.1 158.06,351.61 ; C1452.1 156.87,350.29 ; C1452.1 158.06,348.97 ; v1(322.45,27.48) 322.45,27.92 ; v1(322.45,27.48) 322.02,27.48 ; v1(322.45,27.48) 322.45,27.05 ; v1(322.45,27.48) 322.89,27.48 ; v2(235.53,155.17) 235.99,155.38 ; 369.9,284.33 v1(369.9,284.76) ; v1(369.9,284.76) 370.33,284.76 ; v1(369.9,284.76) 369.9,285.19 ; v1(369.9,284.76) 369.47,284.76 ; 359.16,136.78 v1(359.59,136.78) ; v1(359.59,136.78) 359.59,136.35 ; v1(359.59,136.78) 360.02,136.78 ; 318.09,205.59 C425.1 ; C425.1 318.96,205.59 ; C425.1 318.52,206.08 ; v1(351.08,168.17) 351.08,168.61 ; v1(351.08,168.17) 350.65,168.17 ; v1(351.08,168.17) 351.08,167.74 ; 317.84,279.86 v2(317.41,279.86) 316.97,279.86 ; 154.09,310.95 v2(154.09,311.38) ; v2(154.09,311.38) 154.52,311.38 ; v2(154.09,311.38) 154.09,311.81 ; v2(154.09,311.38) 153.65,311.38 ; v1(318.9,25.81) 319.33,25.81 ; v1(318.9,25.81) 318.9,26.24 ; v1(318.9,25.81) 318.9,25.37 ; v1(318.9,25.81) 318.46,25.81 ; 167.49,30.48 v1(167.49,30.91) ; v1(167.49,30.91) 167.49,31.34 ; v1(167.49,30.91) 167.92,30.91 ; v1(167.49,30.91) 167.06,30.91 ; C608.1 155.4,202.68 ; C608.1 155.4,200.3 ; C608.1 154.08,201.49 ; C608.1 156.72,201.49 ; v2(234.53,200.27) 234.96,200.27 ; v2(234.53,200.27) 234.53,199.84 ; v2(234.53,200.27) 234.1,200.27 ; 235.99,311.19 C163.1 ; C163.1 235.5,311.62 ; C163.1 235.99,312.05 ; v1(365.73,186.08) 366.17,186.08 ; v1(365.73,186.08) 365.3,186.08 ; v1(365.73,186.08) 365.73,185.65 ; v1(365.73,186.08) 365.73,186.51 ; v1(355.07,178.71) 355.5,178.71 ; v1(355.07,178.71) 354.63,178.71 ; v1(355.07,178.71) 355.07,178.28 ; v1(355.07,178.71) 355.07,179.15 ; 57.15,353.75 C1446.1 ; C1446.1 58.47,354.94 ; C1446.1 58.47,352.55 ; C1446.1 59.79,353.75 ; U1040.80 72.08,42.31 ; 353.82,158.12 v1(353.82,157.68) 353.82,157.25 ; 355.7,178.08 v1(356.13,178.08) ; v1(356.13,178.08) 356.13,178.51 ; v1(356.13,178.08) 356.57,178.08 ; v1(356.13,178.08) 356.13,177.65 ; 237.87,124.92 v2(237.87,125.35) ; v2(237.87,125.35) 237.44,125.35 ; v2(237.87,125.35) 237.87,125.78 ; v2(237.87,125.35) 238.3,125.35 ; 236.12,153.09 C858.1 ; C858.1 235.62,153.53 ; C858.1 236.12,153.96 ; 314.53,121.71 C783.1 ; C783.1 317.17,121.71 ; C783.1 315.85,122.9 ; C783.1 315.85,120.51 ; 74.04,200.93 v2(74.47,200.93) 74.91,200.93 ; 165.68,30.63 v1(165.68,31.06) ; v1(165.68,31.06) 165.25,31.06 ; v1(165.68,31.06) 166.12,31.06 ; v1(165.68,31.06) 165.68,31.5 ; 351.08,166.47 v1(351.08,166.9) 351.08,167.34 ; 84.1,28.78 v1(84.1,29.21) ; v1(84.1,29.21) 83.67,29.21 ; v1(84.1,29.21) 84.53,29.21 ; v1(84.1,29.21) 84.1,29.64 ; 313.11,75.84 C1130.1 ; C1130.1 315.5,75.84 ; C1130.1 314.31,74.52 ; C1130.1 314.31,77.17 ; 73.33,313.89 v2(73.33,314.32) ; v2(73.33,314.32) 73.76,314.32 ; v2(73.33,314.32) 72.9,314.32 ; v2(73.33,314.32) 73.33,314.76 ; 315.38,232.99 C423.1 ; C423.1 315.87,233.43 ; C423.1 315.87,232.56 ; v2(237.85,281.89) 238.28,281.89 ; v2(237.85,281.89) 237.85,282.32 ; v2(237.85,281.89) 237.85,281.46 ; v2(237.85,281.89) 